# Altium PCB HAWACO_DATALOGER_DT-G2_V1.0.PcbDoc (part 1 of 3) (continued)
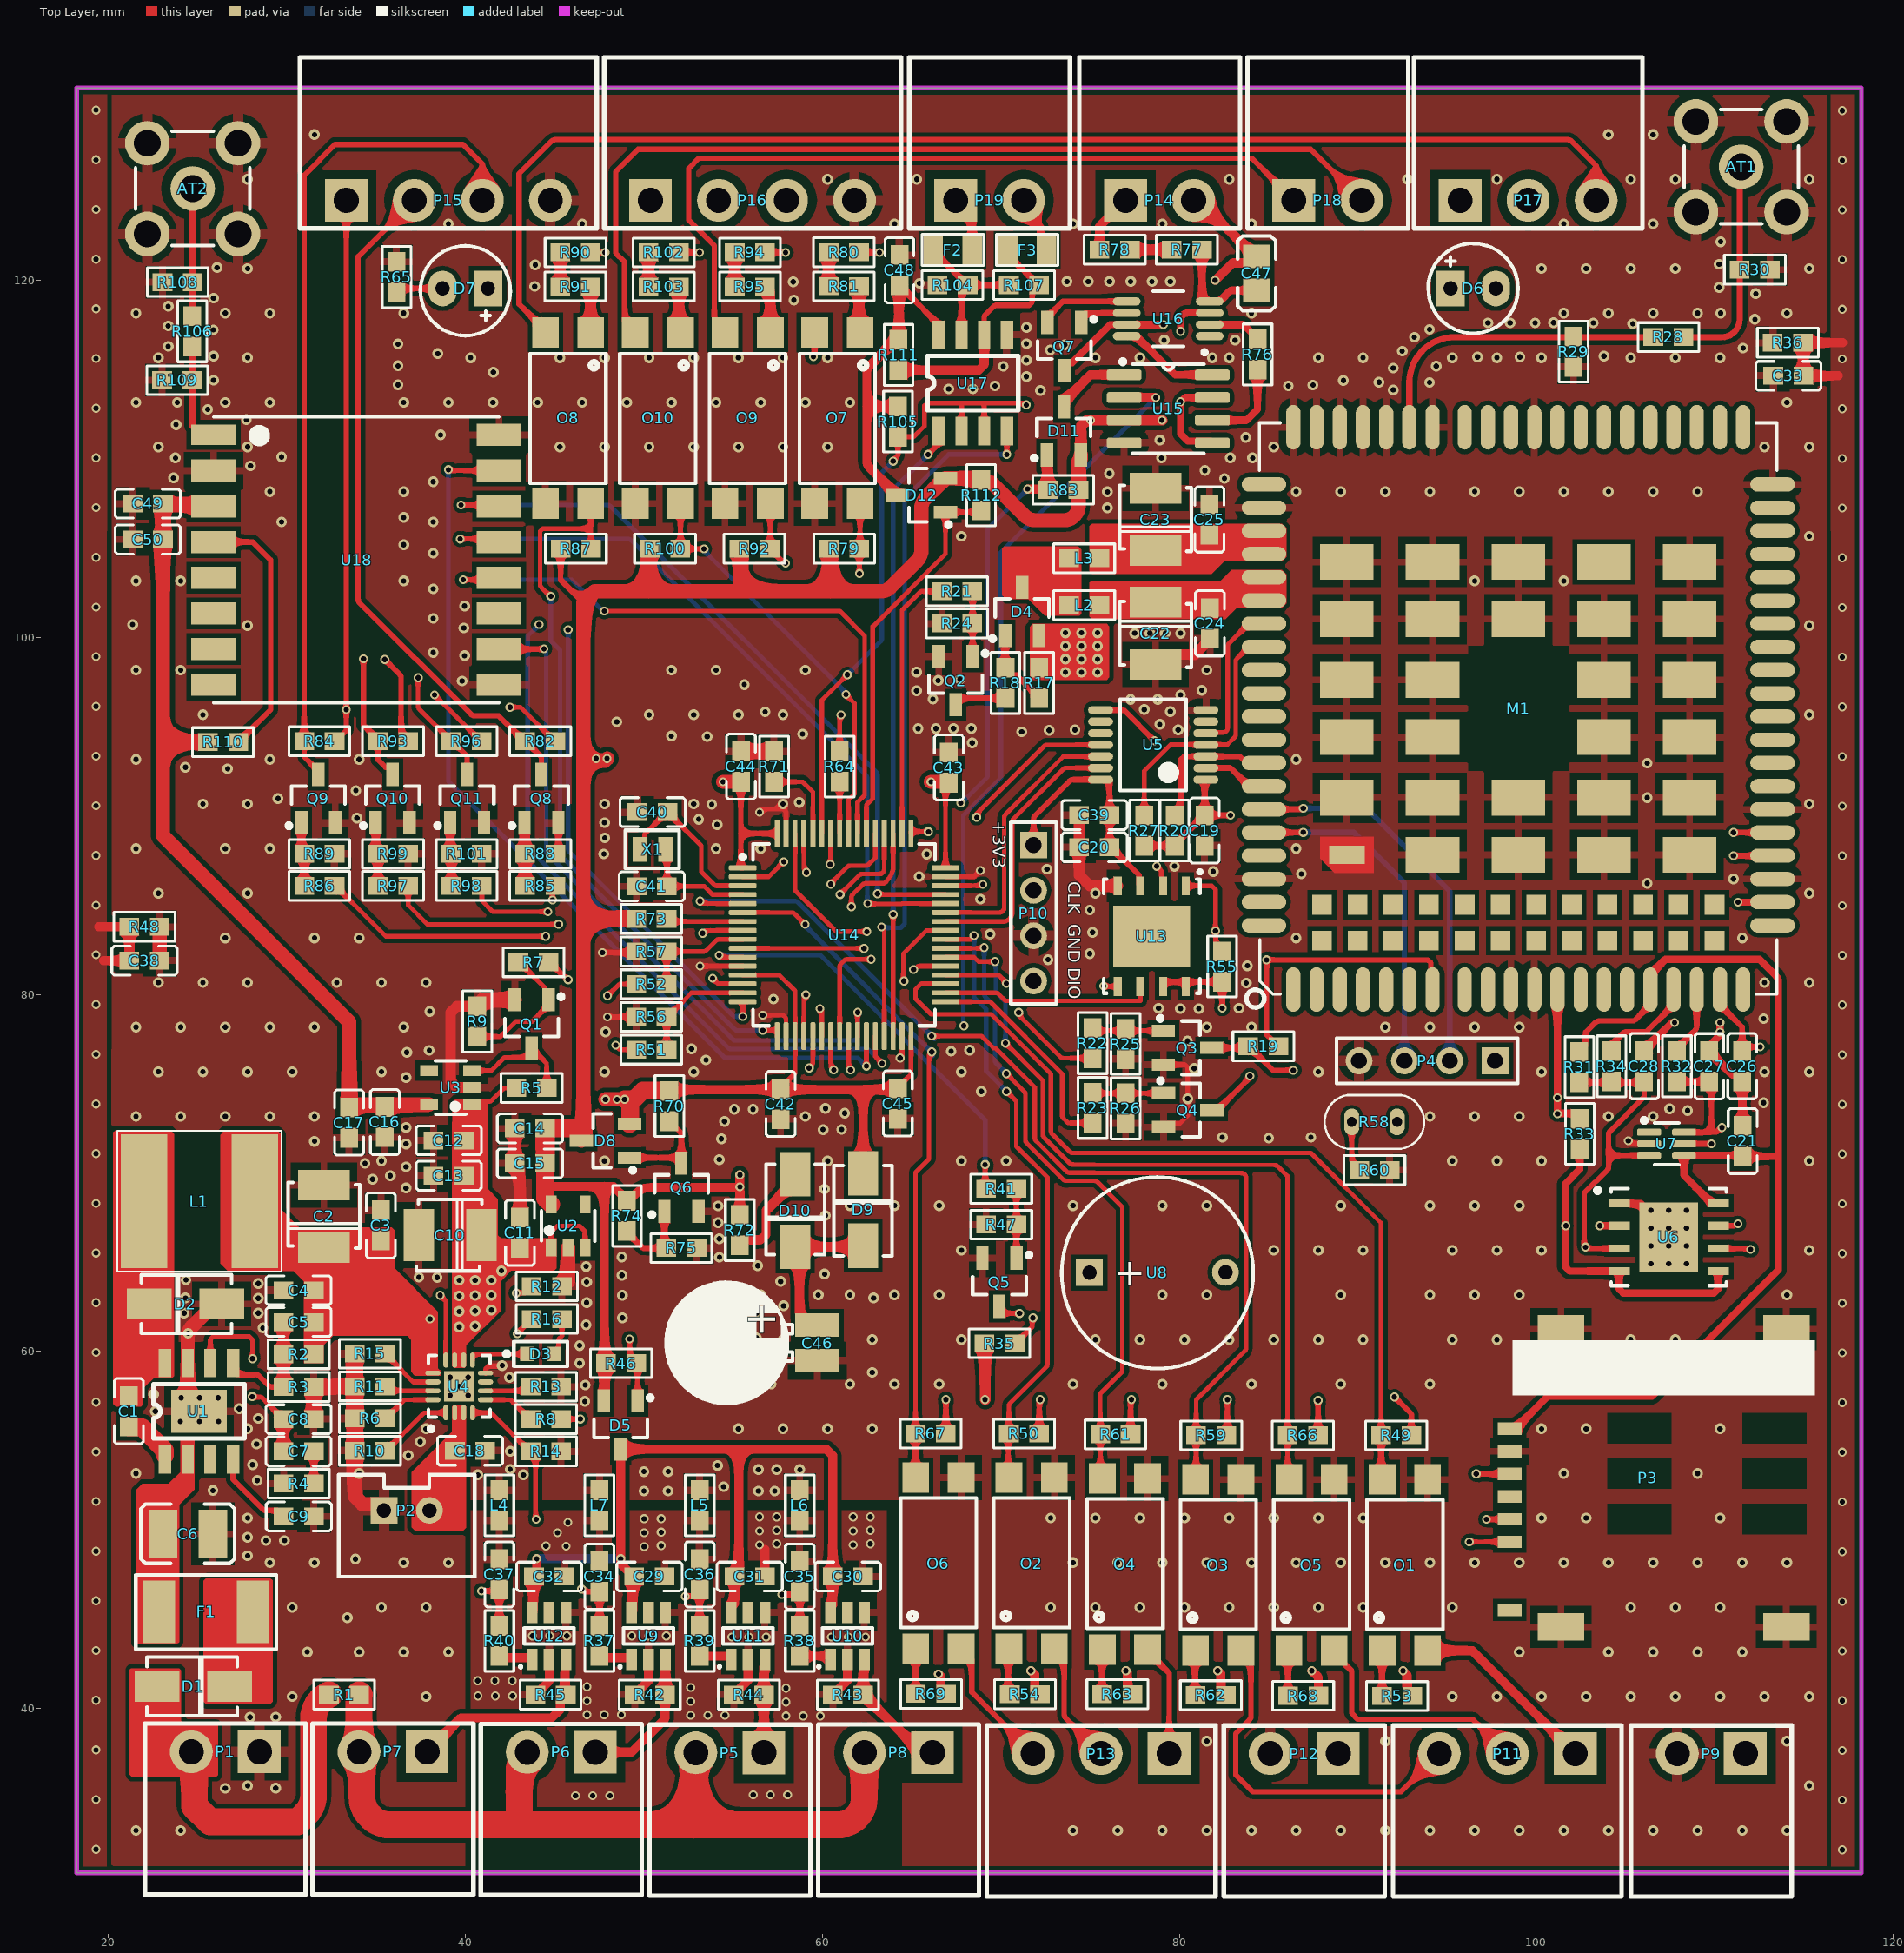
[diagram p0: Top Layer view]
## Components (designator, comment, footprint, x,y, rotation, side; value= is the part's Value field where it differs from the comment) (continued)
R78 "100R" "RESC-0603 (1608)" 76.378,121.717 r180 top
R79 "10K" "RESC-0603 (1608)" 61.219,104.966 r180 top
R80 "5K1" "RESC-0603 (1608)" 61.199,121.571 r180 top
R81 "5K1" "RESC-0603 (1608)" 61.199,119.666 r0 top
R82 "10K" "RESC-0603 (1608)" 44.19,94.179 r0 top
R83 "100K" "RESC-0603 (1608)" 73.496,108.269 r0 top
R84 "10K" "RESC-0603 (1608)" 31.814,94.179 r0 top
R85 "1K" "RESC-0603 (1608)" 44.19,86.079 r180 top
R86 "1K" "RESC-0603 (1608)" 31.814,86.079 r180 top
R87 "10K" "RESC-0603 (1608)" 46.182,104.966 r180 top
R88 "10K" "RESC-0603 (1608)" 44.19,87.871 r180 top
R89 "10K" "RESC-0603 (1608)" 31.814,87.871 r180 top
R90 "5K1" "RESC-0603 (1608)" 46.169,121.564 r180 top
R91 "5K1" "RESC-0603 (1608)" 46.157,119.659 r0 top
R92 "10K" "RESC-0603 (1608)" 56.19,104.966 r180 top
R93 "10K" "RESC-0603 (1608)" 35.939,94.179 r0 top
R94 "5K1" "RESC-0603 (1608)" 55.936,121.564 r180 top
R95 "5K1" "RESC-0603 (1608)" 55.936,119.659 r0 top
R96 "10K" "RESC-0603 (1608)" 40.065,94.179 r0 top
R97 "1K" "RESC-0603 (1608)" 35.939,86.079 r180 top
R98 "1K" "RESC-0603 (1608)" 40.065,86.079 r180 top
R99 "10K" "RESC-0603 (1608)" 35.939,87.871 r180 top
R100 "10K" "RESC-0603 (1608)" 51.186,104.966 r180 top
R101 "10K" "RESC-0603 (1608)" 40.065,87.871 r180 top
R102 "5K1" "RESC-0603 (1608)" 51.11,121.564 r180 top
R103 "5K1" "RESC-0603 (1608)" 51.11,119.659 r0 top
R104 "560R" "RESC-0603 (1608)" 67.285,119.736 r180 top
R105 "10K" "RESC-0603 (1608)" 64.237,112.09 r90 top
R106 "0R" "RESC-0603 (1608)" 24.689,117.151 r90 top
R107 "120R" "RESC-0603 (1608)" 71.298,119.736 r180 top
R108 "NF" "RESC-0603 (1608)" 23.875,119.905 r0 top value=0R
R109 "NF" "RESC-0603 (1608)" 23.851,114.408 r0 top value=0R
R110 "NF" "RESC-0603 (1608)" 26.416,94.132 r180 top value=10K
R111 "560R" "RESC-0603 (1608)" 64.262,115.824 r270 top
R112 "100K" "RESC-0603 (1608)" 68.893,107.966 r90 top
U1 "TPS54231DR" "SOIC8 - TP" 25.07,56.648 r0 top
U2 "TPS7A0233PDBVR" SOT23-5 45.745,67.031 r0 top
U3 "NF" SOT23-5 39.167,74.778 r90 top value=TPS7A0233PDBVR
U4 "BQ24073RGTT" RGT16-1700X1700TP 39.648,58.041 r90 top
U5 "TXS0104EPWR" TSOP65P640X120-14N 78.537,93.98 r180 top
U6 "E-SIM" "MFF2 ESIM" 107.419,66.404 r0 top
U7 "SMF05CT1G" SOT363 107.3,71.631 r270 top
U8 "NF" BUZZER_through_hole 74.955,64.414 r0 top value=BUZZ
U9 "LMP8640" SOT23-6 50.26,44.061 r0 top
U10 "LMP8640" SOT23-6 61.399,44.061 r0 top
U11 "LMP8640" SOT23-6 55.829,44.061 r0 top
U12 "LMP8640" SOT23-6 44.69,44.061 r0 top
U13 "W25Q80DLZPIG TR" "WSON-8 6X5MM" 78.451,83.264 r270 top
U14 "STM32L083RZT6TR" LQFP-64 61.214,83.337 r0 top
U15 "ISO7310" SOIC-8 79.375,112.801 r270 top
U16 "XTR117" 8VSSOP 79.375,117.849 r180 top
U17 "RS485" SOIC8 68.428,114.249 r0 top
U18 "NF" "Lora1276 V1.2" 33.884,104.343 r0 top value=RA-01S
X1 "32.768KHz" "CRYSTAL_ABS06 2X1.2MM" 50.48,88.128 r0 top

## Footprints (in the part's own frame and the unit in brackets; to place one, negate y for a bottom-side part, rotate by r counter-clockwise, add the part's x,y. Pads: shape width x height; smd on the part's side, far side on the other; paste and mask are expansions set on the pad)
8VSSOP [mm]
  oval 1.55x0.45 smd paste+0 mask+0.051: 1(-2.325,0.975) 2(-2.325,0.325) 3(-2.325,-0.325) 4(-2.325,-0.975) 5(2.325,-0.975) 6(2.325,-0.325) 7(2.325,0.325) 8(2.325,0.975)
  silkscreen extent -2.14,-1.55 0.85,1.98, body extent -2.39,-1.5 2.52,1.5, height 1.1
BUZZER_through_hole [mm]
  rect 1.5x1.5 hole 0.8: 1(0,0)
  round 1.5 hole 0.8: 2(7.62,0.013)
  silkscreen extent -1.55,-5.38 9.18,5.36, body extent -2.22,-6 9.78,6, height 4.5
CAP-SUPER-0.22F [mm] "cap super"
  rect 1.3x2.5 smd: 1(1,0) 2(-1,0)
  silkscreen extent -3.4,1.4 3.4,8.5
CAP_TANTAL_1210(3528) [mm] "Capacitor, Chip; 3.50 mm L X 2.80 mm W X 1.40 mm H body"
  rect 1.71x2.91 smd: 1(-1.75,0) 2(1.75,0)
  silkscreen extent -1.78,-2.01 1.91,2.01, body extent -1.87,-1.42 1.82,1.4, height 2.09
"CAPC-0603 (1608)" [mm] "Resistor, Chip; 1.60 mm L X 0.80 mm W X 0.50 mm H body"
  rect 1.1x1 smd mask+0.1: 1(-0.85,0) 2(0.85,0)
  silkscreen extent -1.83,-0.81 1.83,0.81, body extent -0.8,-0.4 0.8,0.4, height 0.6
"CAPC-0805 (2012)" [mm] "Resistor, Chip; 2.00 mm L X 1.25 mm W X 0.70 mm H body"
  rect 1.3x1.5 smd: 1(-0.95,0) 2(0.95,0)
  silkscreen extent -2.1,-1.06 2.1,1.06, body extent -1,-0.62 1,0.63, height 0.7
"CAPC-1210 (3225)" [mm] "Resistor, Chip; 3.10 mm L X 2.60 mm W X 0.90 mm H body"
  rect 1.6x2.7 smd: 1(-1.4,0) 2(1.4,0)
  silkscreen extent -2.61,-1.66 2.64,1.66, body extent -1.59,-1.26 1.61,1.24, height 1.3
"CRYSTAL_ABS06 2X1.2MM" [mm] "Crystal 2x1.2mm"
  rect 0.8x1.4 smd: 1(-0.725,0) 2(0.725,0)
  silkscreen extent -1.52,-1.07 1.5,1.07, body extent -1,-0.61 1,0.61, height 0.6
DIODE_DO214AC_SMA [mm] "Diode 2214AC- SMA type"
  rect 2.5x1.7 smd: 1(-2.032,0) 2(2.032,0)
  silkscreen extent -2.59,-1.63 2.46,1.7, body extent -2.53,-1.35 2.47,1.35, height 2.25
EC21 [mm]
  oval 2.5x0.8 smd: 1(-15.75,12.6) 2(-15.75,11.3) 3(-15.75,10) 4(-15.75,8.7) 5(-15.75,7.4) 6(-15.75,6.1) 7(-15.75,4.8) 8(-15.75,0.4) 9(-15.75,-0.9) 10(-15.75,-2.2) 11(-15.75,-3.5) 12(-15.75,-4.8) 13(-15.75,-6.1) 14(-15.75,-7.4) 15(-15.75,-8.7) 16(-15.75,-10) 17(-15.75,-11.3) 18(-15.75,-12.6) 37(15.75,-12.6) 38(15.75,-11.3) 39(15.75,-10) 40(15.75,-8.7) 41(15.75,-7.4) 42(15.75,-6.1) 43(15.75,-4.8) 44(15.75,-3.5) 45(15.75,-2.2) 46(15.75,-0.9) 47(15.75,0.4) 48(15.75,4.8) 49(15.75,6.1) 50(15.75,7.4) 51(15.75,8.7) 52(15.75,10) 53(15.75,11.3) 54(15.75,12.6) 141(-15.75,3) 142(-15.75,1.7) 143(15.75,1.7) 144(15.75,3)
  oval 0.8x2.5 smd: 19(-9.55,-14.25) 20(-8.25,-14.25) 21(-6.95,-14.25) 22(-5.65,-14.25) 23(-4.35,-14.25) 24(-3.05,-14.25) 25(-1.75,-14.25) 26(-0.45,-14.25) 27(0.85,-14.25) 28(2.15,-14.25) 29(3.45,-14.25) 30(4.75,-14.25) 31(6.05,-14.25) 32(7.35,-14.25) 33(8.65,-14.25) 34(9.95,-14.25) 35(11.25,-14.25) 36(12.55,-14.25) 55(12.55,14.25) 56(11.25,14.25) 57(9.95,14.25) 58(8.65,14.25) 59(7.35,14.25) 60(6.05,14.25) 61(4.75,14.25) 62(3.45,14.25) 63(2.15,14.25) 64(0.85,14.25) 65(-0.45,14.25) 66(-1.75,14.25) 67(-3.05,14.25) 68(-4.35,14.25) 69(-5.65,14.25) 70(-6.95,14.25) 71(-8.25,14.25) 72(-9.55,14.25) 113(-10.85,14.25) 114(-12.15,14.25) 115(-10.85,-14.25) 116(-12.15,-14.25)
  rect 2x3 smd: 85(8.2,9.6) 86(8.2,4.8) 87(8.2,0) 88(8.2,-4.8) 89(8.2,-9.6) 90(5,9.6) 91(5,4.8) 92(5,0) 93(5,-4.8) 94(5,-9.6) 95(1.6,9.6) 96(1.6,4.8) 97(1.6,-4.8) 98(1.6,-9.6) 99(-1.6,9.6) 100(-1.6,4.8) 101(-1.6,-4.8) 102(-1.6,-9.6) 103(-5,9.6) 104(-5,4.8) 105(-5,0) 106(-5,-4.8) 107(-5,-9.6) 109(-8.2,4.8) 110(-8.2,0) 111(-8.2,-4.8) 112(-8.2,-9.6)
  rect 1x2 smd: 108(-8.2,9.6)
  rect 1.1x1.1 smd: 117(-11,11) 118(-11,9) 119(-11,7) 120(-11,5) 121(-11,3) 122(-11,1) 123(-11,-1) 124(-11,-3) 125(-11,-5) 126(-11,-7) 127(-11,-9) 128(-11,-11) 129(-13,11) 130(-13,9) 131(-13,7) 132(-13,5) 133(-13,3) 134(-13,1) 135(-13,-1) 136(-13,-3) 137(-13,-5) 138(-13,-7) 139(-13,-9) 140(-13,-11)
  Top Layer region: -9.2,10.3 -8.4,11.1 -7.2,11.1 -7.2,8.1 -9.2,8.1 -9.2,10.3
  Top Layer pour cut-out: 3.5,2.8 -3.5,2.8 -3.5,-2.8 3.5,-2.8 3.5,2.8
  silkscreen extent -16.76,-14.5 16,15.23, body extent -16.01,-14.57 16.02,14.49, height 2.54
"FUSE 0ZCK_BEL" [mm]
  rect 1.1x1.6 smd paste+0 mask+0: 1(-1.092,0) 2(1.092,0)
  silkscreen extent -1.73,-0.88 1.73,0.88, body extent -1.16,-0.75 1.16,0.75, height 1.81
FUSE_1812(4532) [mm]
  rect 1.78x3.5 smd: 1(-2.615,0) 2(2.615,0)
  silkscreen extent -3.94,-2.06 3.94,2.11, body extent -2.43,-1.61 2.39,1.61, height 1.32
HDR1X4 [mm] "Connector; Header; 4 Position"
  rect 1.5x1.5 hole 0.9: 1(0,0)
  round 1.5 hole 0.9: 2(2.54,0) 3(5.08,0) 4(7.62,0)
  silkscreen extent -1.27,-1.27 8.89,1.27
HDR_3.81MM_RA_2x1 [mm] "Header 2, pitch 3.81mm, right angle"
  rect 2.4x2.4 hole 1.4: 1(0,0)
  round 2.4 hole 1.4: 2(3.81,0)
  silkscreen extent -2.6,-1.57 6.41,8, body extent -2.6,-1.2 6.41,8, height 7.2
HDR_3.81MM_RA_3x1 [mm] "Header 3, pitch 3.81mm, right angle"
  rect 2.4x2.4 hole 1.4: 1(0,0)
  round 2.4 hole 1.4: 2(3.81,0) 3(7.62,0)
  silkscreen extent -2.6,-1.57 10.22,8, body extent -2.6,-1.2 10.22,8, height 7.2
HDR_3.81MM_RA_4X1 [mm] "Header 3, pitch 3.81mm, right angle"
  rect 2.4x2.4 hole 1.4: 1(0,0)
  round 2.4 hole 1.4: 2(3.81,0) 3(7.62,0) 4(11.43,0)
  silkscreen extent -2.6,-1.57 14.03,8, body extent -2.36,-1.17 13.67,8.03, height 7.3
"IND-0603 (1608)" [mm] "Resistor, Chip; 1.60 mm L X 0.80 mm W X 0.50 mm H body"
  rect 1.1x1 smd mask+0.1: 1(-0.85,0) 2(0.85,0)
  silkscreen extent -1.71,-0.81 1.71,0.81, body extent -0.8,-0.4 0.8,0.4, height 1.4
IND-74404084150 [mm] "Shielded Inductor 8x8mm"
  rect 2.6x7.5 smd: 1(-3.1,0) 2(3.1,0)
  silkscreen extent -4.6,-3.94 4.6,3.94, body extent -4,-4 4,4, height 4.2
"LED 0603" [mm]
  rect 0.8x0.8 smd: 1(-0.75,0) 2(0.75,0)
  silkscreen extent -1.5,-0.7 2.04,0.7, body extent -0.8,-0.4 0.8,0.4, height 0.75
LED_3MM-GREEN [mm] "LED GREEN 3MM T/H"
  rect 1.6x2 hole 0.8: 1(0,0)
  oval 1.6x2 hole 0.8: 2(2.54,0)
  silkscreen extent -1.25,-2.51 3.78,2.52, body extent -0.48,-1.93 3.02,2.07, height 6.2
LED_3MM-RED [mm] "LED RED 3MM T/H"
  rect 1.6x2 hole 0.8: 1(0,0)
  oval 1.6x2 hole 0.8: 2(2.54,0)
  silkscreen extent -1.25,-2.39 3.78,2.65, body extent -0.72,-1.5 3.26,1.99, height 20.38
"Lora1276 V1.2" [mm]
  rect 2.5x1.143 smd: 1(-8,7)
  rect 2.5x1.25 smd: 2(-8,5) 3(-8,3) 4(-8,1) 5(-8,-1) 6(-8,-3) 7(-8,-5) 8(-8,-7) 9(8,-7) 10(8,-5) 11(8,-3) 12(8,-1) 13(8,1) 14(8,3) 15(8,5) 16(8,7)
  silkscreen extent -8,-8 8,8, body extent -8,-8.5 8,8.5, height 3.2
LQFP-64 [mm] "Low Profile Quad Flat Pack (LQFP), 0.50 mm pitch; square, 16 pin X 16 pin, 10.00 mm L X 10.00 mm W X 1.60 mm H body"
  rrect50% 1.56x0.28 smd: 1(-5.68,3.75) 2(-5.68,3.25) 3(-5.68,2.75) 4(-5.68,2.25) 5(-5.68,1.75) 6(-5.68,1.25) 7(-5.68,0.75) 8(-5.68,0.25) 9(-5.68,-0.25) 10(-5.68,-0.75) 11(-5.68,-1.25) 12(-5.68,-1.75) 13(-5.68,-2.25) 14(-5.68,-2.75) 15(-5.68,-3.25) 16(-5.68,-3.75) 33(5.68,-3.75) 34(5.68,-3.25) 35(5.68,-2.75) 36(5.68,-2.25) 37(5.68,-1.75) 38(5.68,-1.25) 39(5.68,-0.75) 40(5.68,-0.25) 41(5.68,0.25) 42(5.68,0.75) 43(5.68,1.25) 44(5.68,1.75) 45(5.68,2.25) 46(5.68,2.75) 47(5.68,3.25) 48(5.68,3.75)
  rrect50% 0.28x1.56 smd: 17(-3.75,-5.68) 18(-3.25,-5.68) 19(-2.75,-5.68) 20(-2.25,-5.68) 21(-1.75,-5.68) 22(-1.25,-5.68) 23(-0.75,-5.68) 24(-0.25,-5.68) 25(0.25,-5.68) 26(0.75,-5.68) 27(1.25,-5.68) 28(1.75,-5.68) 29(2.25,-5.68) 30(2.75,-5.68) 31(3.25,-5.68) 32(3.75,-5.68) 49(3.75,5.68) 50(3.25,5.68) 51(2.75,5.68) 52(2.25,5.68) 53(1.75,5.68) 54(1.25,5.68) 55(0.75,5.68) 56(0.25,5.68) 57(-0.25,5.68) 58(-0.75,5.68) 59(-1.25,5.68) 60(-1.75,5.68) 61(-2.25,5.68) 62(-2.75,5.68) 63(-3.25,5.68) 64(-3.75,5.68)
  silkscreen extent -5.8,-5.1 5.1,5.1, body extent -6,-6 6,6, height 1.49
"MFF2 ESIM" [mm] "SON, 8-Leads, Body 5.00x6.00mm, Pitch 1.27mm, Thermal Pad 3.90x3.30mm, IPC Medium Density"
  rect 1.2x0.45 smd: 1(-2.77,1.905) 2(-2.77,0.635) 3(-2.77,-0.635) 4(-2.77,-1.905) 5(2.77,-1.905) 6(2.77,-0.635) 7(2.77,0.635) 8(2.77,1.905)
  rect 3.3x3.9 smd paste-1.65: 9(0,0)
  silkscreen extent -4.12,-2.73 3.22,2.75, body extent -3.13,-2.58 3.13,2.58, height 0.5
MUP-C792 [mm] "MicroSIM Card PUSH - PUSH HOLDER"
  rect 0.7x1.35 smd: 1(0,0) 2(-2.54,0) 3(-5.08,0) 5(-1.27,0) 6(-3.81,0) 7(-6.35,0) CD(-10.16,0)
  rect 1.55x2.6 smd: 8(-11.105,-2.875) 8(5.575,-2.875) 9(-11.105,-15.505) 9(5.575,-15.505)
  Top Layer pour cut-out: -5.91,-13.045 -4.21,-13.045 -4.21,-16.625 -5.91,-16.625
  Top Layer pour cut-out: -3.37,-13.045 -1.67,-13.045 -1.67,-16.625 -3.37,-16.625
  Top Layer pour cut-out: -0.83,-13.045 0.87,-13.045 0.87,-16.625 -0.83,-16.625
  Top Layer pour cut-out: -0.83,-5.485 0.87,-5.485 0.87,-9.065 -0.83,-9.065
  Top Layer pour cut-out: -3.37,-5.485 -1.67,-5.485 -1.67,-9.065 -3.37,-9.065
  Top Layer pour cut-out: -5.91,-5.485 -4.21,-5.485 -4.21,-9.065 -5.91,-9.065
  silkscreen extent 1.86,-17.1 4.95,-0.15, body extent -10.67,-17.11 5.14,0, height 1.5
"OPTO 1" [mm]
  rect 1.7x1.5 smd: 1(-4.795,1.27) 2(-4.795,-1.27) 3(4.795,-1.27) 4(4.795,1.27)
  silkscreen extent -3.6,-2.13 3.65,2.12, body extent -5.09,-2.42 4.94,2.42, height 3.82
"RES NTC 10K" [mm]
  oval 1.5x0.85 hole 0.55 mask+0.2: 1(0,1.27) 2(0,-1.27)
  silkscreen extent -1.5,-2.78 1.5,2.78, body extent -1.25,-1.47 1.25,1.47, height 39.3
"RESC-0603 (1608)" [mm] "Resistor, Chip; 1.60 mm L X 0.80 mm W X 0.50 mm H body"
  rect 1.1x1 smd mask+0.1: 1(-0.85,0) 2(0.85,0)
  silkscreen extent -1.71,-0.81 1.71,0.81, body extent -0.8,-0.4 0.8,0.4, height 0.5
RGT16-1700X1700TP [mm] "QFN, 16-Leads, Body 3x3mm, Pitch 0.5mm, Thermal Pad 1.7x1.7mm, TI Recommended"
  oval 0.85x0.28 smd paste-0.025 mask+0.07: 1(-1.475,0.75) 2(-1.475,0.25) 3(-1.475,-0.25) 4(-1.475,-0.75) 9(1.475,-0.75) 10(1.475,-0.25) 11(1.475,0.25) 12(1.475,0.75)
  oval 0.28x0.85 smd paste-0.025 mask+0.07: 5(-0.75,-1.475) 6(-0.25,-1.475) 7(0.25,-1.475) 8(0.75,-1.475) 13(0.75,1.475) 14(0.25,1.475) 15(-0.25,1.475) 16(-0.75,1.475)
  rect 1.7x1.7 smd paste-0.85 mask+0.07: 17(0,0)
  silkscreen extent -2.5,-1.73 1.73,1.73, body extent -1.57,-1.57 1.58,1.58, height 1
SMA-KWE-17-V1 [mm]
  round 2.5 hole 1.5: 1(0,0) 2(-2.54,-2.54) 2(-2.54,2.54) 2(2.54,-2.54) 2(2.54,2.54)
  silkscreen extent -3.2,-3.2 3.2,3.2, body extent -3.2,-3.2 15.8,3.2, height 9.6
SOIC8 [mm] "OPA2333"
  round 0.8 on Top Overlay: 0(-1.905,-0.9)
  rect 0.7x1.6 smd: 1(-1.905,-2.7) 2(-0.635,-2.7) 3(0.635,-2.7) 4(1.905,-2.7) 5(1.905,2.7) 6(0.635,2.7) 7(-0.635,2.7) 8(-1.905,2.7)
  silkscreen extent -2.54,-1.52 2.54,1.52, body extent -2.45,-3 2.45,3, height 1.63
"SOIC8 - TP" [mm] "SOIC 8 pin with Thermal Pad"
  round 0.8 on Top Overlay: 0(-1.975,-0.975)
  rect 0.7x1.6 smd: 1(-1.905,-2.7) 2(-0.635,-2.7) 3(0.635,-2.7) 4(1.905,-2.7) 5(1.905,2.7) 6(0.635,2.7) 7(-0.635,2.7) 8(-1.905,2.7)
  rect 3.1x2.4 smd: 9(0,0)
  silkscreen extent -2.54,-1.52 2.54,1.52, body extent -2.45,-3 2.45,3, height 1.63
SOIC-8 [mm] "SOIC-8"
  rrect49% 0.61x1.96 smd: 1(-1.905,-2.47) 2(-0.635,-2.47) 3(0.635,-2.47) 4(1.905,-2.47) 5(1.905,2.47) 6(0.635,2.47) 7(-0.635,2.47) 8(-1.905,2.47)
  silkscreen extent -2.77,-2.67 2.5,2, body extent -2.45,-3.08 2.45,2.92, height 1.63
SOT23-5 [mm]
  rect 0.6x1 smd: 1(-0.95,-1.2) 2(0,-1.2) 3(0.95,-1.2) 4(0.95,1.2) 5(-0.95,1.2)
  silkscreen extent -1.5,-0.85 1.5,0.85, body extent -1.46,-1.17 1.46,1.17, height 1
SOT23-6 [mm] "Small Outline Transistor (SOT23), 0.95 mm pitch; 6 pin, 2.90 mm L X 1.60 mm W X 1.10 mm H body"
  rect 0.61x1.2 smd: 1(-0.95,-1.315) 2(0,-1.315) 3(0.95,-1.315) 4(0.95,1.315) 5(0,1.315) 6(-0.95,1.315)
  silkscreen extent -1.63,-1.75 1.4,0.46, body extent -1.45,-1.4 1.45,1.4, height 1.1
SOT23_3 [mm] "SOT23, 3-Leads, Body 2,90x2,30mm, Pitch 0,95mm, IPC Medium Density"
  rect 1.3x0.7 smd: 1(-1.35,0.95) 2(-1.35,-0.95) 3(1.35,0)
  silkscreen extent -1.65,-1.5 0.7,1.78, body extent -1.3,-1.5 1.3,1.5, height 1.1
SOT363 [mm] "Small Outline Transistor (SOT23), 0.65 mm pitch; 6 pin, 2.00 mm L X 1.25 mm W X 1.10 mm H body"
  rrect50% 0.4x1.34 smd: 1(-0.65,-0.98) 2(0,-0.98) 3(0.65,-0.98) 4(0.65,0.98) 5(0,0.98) 6(-0.65,0.98)
  silkscreen extent -1.44,-1.38 1.18,0.68, body extent -1.1,-1.2 1.1,1.2, height 1.1
TSOP65P640X120-14N [mm] "TSOP, 14-Leads, Body 5.00x4.40mm, Pitch 0.65mm, IPC Medium Density"
  oval 1.4x0.45 smd: 1(-2.95,1.95) 2(-2.95,1.3) 3(-2.95,0.65) 4(-2.95,0) 5(-2.95,-0.65) 6(-2.95,-1.3) 7(-2.95,-1.95) 8(2.95,-1.95) 9(2.95,-1.3) 10(2.95,-0.65) 11(2.95,0) 12(2.95,0.65) 13(2.95,1.3) 14(2.95,1.95)
  silkscreen extent -1.85,-2.55 1.85,2.55, body extent -3.2,-2.55 3.2,2.55, height 1.2
"WSON-8 6X5MM" [mm] "6X5MM"
  rect 1.05x0.45 smd: 1(-2.82,1.905) 2(-2.82,0.635) 3(-2.82,-0.635) 4(-2.82,-1.905) 5(2.82,-1.905) 6(2.82,-0.635) 7(2.82,0.635) 8(2.82,1.905)
  rect 3.4x4.3 smd paste-1.5: 9(0,0)
  silkscreen extent -3.65,-2.7 3.2,2.75, body extent -3.07,-2.55 3.07,2.55, height 0.8
XH2.54-2P [mm] "PITCH 2.54MM 2P 180 DEGREE"
  rect 1.5x1.5 hole 0.8: 1(-1.905,0)
  round 1.5 hole 0.8: 2(0.635,0)
  silkscreen extent -4.44,-3.7 3.17,2, body extent -4.33,-3.53 3.06,2.27, height 7

## Part data
AT1 AT2: library part GKZS-SMAJZM-KWE-17.3, MFR=GAOKE, MPN=GKZS-SMAJZM-KWE-17.3, Solder=WAVE
C1 C4 C11 C13 C15 C17 C19 C20 C21 C24 C25 C29 C30 C31 C32 C33 C38 C39 C42 C43 C44 C45 C48 C49: library part C0603C104K5RACTU, "CAP CER 0.1uF 50V 10% X7R 0603", MPN=C0603C104K5RACTU, Solder=SMT
  C1 C4 C11 C13 C15 C17: Category=CAPACITOR, CompanyID=VT-00982
  C19 C20 C21 C24 C25: CompanyID=VT-00982
  C29 C30 C31 C32 C33 C38 C39 C42 C43 C44 C45 C48 C49: Company ID=VT00574
C2 C10 C22 C23: library part T520B227M006ATE035, "CAP TANT POLY 220uF 20% 6.3V 3528 35mOhm ESR", MPN=T520B227M006ATE035, Solder=SMT
  C2 C22 C23: CompanyID=VT-00643
  C10: Company ID=VT00099
C3: library part GRM188R60J476ME15D, "CAP CER 47UF 6.3V X5R 0603", MFR="Murata Electronics", Category=CAPACITOR, MPN=GRM188R60J476ME15D, Solder=CAP-0603
C5 C7 C9 C34 C35 C36 C37: library part CC0603KRX7R7BB103, "CAP CER 10nF 16V 10% X7R 0603", MPN=CC0603KRX7R7BB103, Solder=SMT
  C5: Category=CAPACITOR, CompanyID=VT-00592
  C7 C9 C34 C35 C36 C37: Company ID=VT00031
C6: library part GRM32ER71H106KA12L, "CAP CER 10uF 10% 50V X7R 1210 (3255)", Category=CAPACITOR, CompanyID=VT-01019, MPN=GRM32ER71H106KA12L, Solder=SMT
C8: library part CL10C470JB8NNNC, "CAP CER 47pF 5% 50V C0G/NP0 0603", MPN=CL10C470JB8NNNC, Solder=SMT
C12 C14 C16 C18 C50: library part CL10A106KP8NNNC, "CAP CER 10uF 10% 10V X5R 0603", MPN=CL10A106KP8NNNC, Solder=SMT
  C18: CompanyID=VT-00984
C26: library part CL10B471KB8NNNC, "CAP CER 470pF 10% 50V X7R 0603", Company ID=VT00072, MPN=CL10B471KB8NNNC, Solder=SMT
C27 C28 C40 C41: library part CL10C100JB8NNND, "CAP CER 10pF 5% 50V NP0 0603", Company ID=VT00076, MPN=CL10C100JB8NNND, Solder=SMT
C46: library part DCK-3R3E224U-E, "CAP 220mF SUPER -20% +80% 3.3V SMD", Company ID=VT00087, MPN=DCK-3R3E224U-E, Solder=HAND
C47: library part CL21B103KBANNNC, "CAP CER 10nF 10% 50V X7R 0805", MPN=CL21B103KBANNNC, Solder=SMT
D1 D9 D10: library part SK36A-LTP, "DIODE SCHOTTKY 60V 3A DO214AC", Category=Diode, MPN=SK36A-LTP, Solder=DO214AC
D2: library part SK36A-LTP, "DIODE SCHOTTKY 60V 3A DO214AC", Manufacturer="Micro Commercial Co", Category=Diode, MPN=SK36A-LTP, Solder=DO214AC
D3: library part "LED 0603 RED", "LED 0603 RED", Category="LED Diode", Company ID=VT00361, MPN="LED 0603 RED", Solder=0603
D4 D5 D8 D11 D12: library part AO3415, "MOSFET P-CH 20V 4A SOT23", MFR="Alpha & Omega Semiconductor Inc.", Category=DIODE, MPN=AO3415, Solder=SOT23
  D5 D8 D11 D12: Company ID=VT00490
D6: library part OVLBG4C7, "LED GREEN CLEAR 3MM ROUND T/H", MPN=OVLBG4C7, Solder=WAVE
D7: library part WP710A10SRC/E, "LED RED CLEAR 3MM ROUND T/H", MPN=WP710A10SRC/E, Solder=WAVE
F1: library part 1812L150/24MR, "FUSE PTC RESETTABLE 24V 1.50A 1812L", MPN=1812L150/24MR, Solder=SMT
F2 F3: library part 0ZCK0075FF2E, "PTC RESET FUSE 6V 750MA 0805", Manufacturer="Bel Fuse Inc.", Category=Fuse, MPN=0ZCK0075FF2E, Solder=SMT
L1: library part 74404084150, "FIXED IND 15UH 2.6A 47 MOHM SMD", MFR="Würth Elektronik", Category=INDUCTOR, Company ID=VT00316, MPN=74404084150
L2 L3 L4 L5 L6 L7: library part FBMJ1608HM230NT, "IND-FERRITE BEAD 23 OHM  4A 0603 1LN", Company ID=VT00326, MPN=FBMJ1608HM230NT, Solder=SMT
M1: library part "QUECTEL EC21", "Quectel EC21 is a series of LTE category", MFR=QUECTEL, MPN=EC21-CN, Category=IC, Solder=SMT
O1 O2 O3 O4 O5 O6 O7 O8 O9 O10: "OPTOISOLATR 5KV TRANSISTOR 4-SMD", MFR="Lite-On Inc.", Category=Opto, MPN=LTV-816S-TA1, Solder="SMD 4P"
P1 P5 P6 P7 P8 P9 P12 P14 P18 P19: "Pluggable terminal 15EDG- 2P 3.81MM", MFR=China, MPN2=CLA5048, MPN=15EDG3.81-2P, Solder=Hand
P2: library part XH-2A, "XH2.54mmm - 2P 180 degree", MPN=XH-2A
P3: library part MUP-C792, "MicroSIM Card Push - Push Holder", MFR=MUPCONNECTOR, Company ID=VT00135, MPN=MUP-C792, Solder=SMT
P4 P10: library part "Header 4x1", "Header, 4 Pin Pitch 2.54mm", MPN=S1012EC-40-ND, Company ID=VT-00125, Solder=WAVE
P11 P13 P17: "Pluggable terminal 15EDG- 3P 3.81MM", MFR=China, MPN2=CLA5050, MPN=15EDG3.81-3P, Solder=Hand
P15 P16: "Pluggable terminal 15EDG- 4P 3.81MM", MFR=China, MPN2=CLA5052, MPN=15EDG3.81-4P, Solder=Hand
Q1 Q5: library part 2SC1815, "TRANS NPN 50V 0.15A SOT23-3", Category=Transistor, Company ID=VT00492, MPN=2SC1815, Solder=SMT
Q2 Q3 Q4 Q6 Q7 Q8 Q9 Q10 Q11: "TRANS NPN 50V 0.15A SOT23-3", MPN=2SC1815, Solder=SMT
  Q6 Q7 Q8 Q9 Q10 Q11: Category=Transistor, Company ID=VT00492
R1 R28 R29 R30 R33: library part RC0603FR-070R, "RES SMD 0 OHM 1% 1/10W 0603", Company ID=VT00423, MPN=RC0603FR-070R, Solder=SMT
R2: library part RT0603BRD07270KL, "RES SMD 270K OHM 0.1% 1/10W 0603", Company ID=VT00474, MPN=RT0603BRD07270KL
R3 R4: library part RC0603FR-0751KL, "RES SMD 51K OHM 1% 1/10W 0603", MFR=Yageo, Category=Resistor, Company ID=VT00453, MPN=RC0603FR-0751KL, Solder=RES-0603
R5 R8 R9 R10 R11 R14 R24 R25 R26 R31 R37 R38 R39 R40 R47 R49 R50 R55 R59 R61 R66 R67 R71 R75 R79 R82 R84 R87 R88 R89 R92 R93 R96 R99 R100 R101 R105 R110: library part RC0603FR-0710KL, "RES SMD 10K OHM 1% 1/10W 0603", MPN=RC0603FR-0710KL, Solder=SMT
  R5 R9 R37 R38 R39 R40 R47 R49 R50 R55 R59 R61 R66 R67 R71 R75 R79 R82 R84 R87 R88 R89 R92 R93 R96 R99 R100 R101 R105 R110: Company ID=VT00426
  R8 R10 R11 R14 R24 R25 R26 R31: CompanyID=VT-00328
R6 R16: library part CRCW06032K20FKEA, "RES SMD 2.2K OHM 1% 1/10W 0603", Company ID=VT00406, MPN=CRCW06032K20FKEA, Solder=SMT
R7 R21 R22 R23 R41 R53 R54 R62 R63 R68 R69 R72 R74 R85 R86 R97 R98: library part RC0603FR-071KL, "RES SMD 1 KOHM 1% 1/10W 0603", MPN=RC0603FR-071KL, Solder=SMT
  R7 R41 R53 R54 R62 R63 R68 R69 R72 R74 R85 R86 R97 R98: Company ID=VT00433
  R21 R22 R23: CompanyID=VT-00574
R12: library part RC0603FR-071K2L, "RES SMD 1.2K OHM 1% 1/10W 0603", CompanyID=VT-01075, MPN=RC0603FR-071K2L, Solder=SMT
R13 R19 R20 R27 R36 R46 R48 R70 R73 R83 R112: library part RC0603FR-07100KL, "RES SMD 100K OHM 1% 1/10W 0603", MPN=RC0603FR-07100KL, Solder=SMT
  R13 R19 R20 R27: CompanyID=VT-00332
  R36 R46 R48 R70 R73 R83 R112: Company ID=VT00424
R15: library part RC0603FR0747KL, "RES SMD 47K OHM 1% 1/10W 0603", CompanyID=VT-00322, MPN=RC0603FR0747KL, Solder=SMT
R17: library part CRCW06031M00FKEA, "RES SMD 1M OHM 1% 1/10W 0603", CompanyID=VT-00325, MPN=CRCW06031M00FKEA, Solder=SMT
R18 R32 R34: library part RC0603FR-0722RL, "RES SMD 22 OHM 1% 1/10W 0603", CompanyID=VT-00881, MPN=RC0603FR-0722RL, Solder=SMT
R35: library part RC0603FR-0710RL, "RES SMD 10 OHM 1% 1/10W 0603", MPN=RC0603FR-0710RL, Solder=SMT
R42 R43 R44 R45: library part RT0603BRE071R43L, "RES SMD 1.43 OHM 0.1% 1/10W 0603", MFR=YAGEO, Category=RESISTOR, MPN=RT0603BRE071R43L, Solde=RES-0603
R51 R52: library part RC0603FR-07470KL, "RES SMD 470K OHM 1% 1/10W 0603", MPN=RC0603FR-07470K, Company ID=VT00448, Solder=SMT
R56 R57: library part CRCW060368K0FKEA, "RES SMD 68K OHM 1% 1/10W 0603", MPN=CRCW060368K0FKEA, Solder=SMT
R58: library part 01M1002JF, "THERMISTOR NTC 10KOHM 3964K BEAD", MFR=Vishay, Category=RESISTOR, MPN=01M1002JF, Solder=Wave
R60: library part CR0603-FX-2003ELF, "RES SMD 200K OHM 1% 1/10W 0603", Category=Resistor, MPN=CR0603-FX-2003ELF
R64: library part RC0603FR-07330RL, "RES SMD 330 OHM 1% 1/10W 0603", Company ID=VT00443, MPN=RC0603FR-07330RL, Solder=SMT
R65: library part RC0603FR-07180RL, "RES SMD 180 OHM 1% 1/10W 0603", Company ID=VT00430, MPN=RC0603FR-07180RL, Solder=SMT
R76: library part RT0603BRE-0715KL, "RES SMD 15K OHM 0.1% 1/10W 0603", Category=RESISTOR, MPN=RT0603BRE-0715KL, Solder=RES-0603
R77: library part RC0603FR-07150RP, "RES SMD 150 OHM 1% 1/10W 0603", MFR=YAGEO, Category=RESISTOR, MPN=RC0603FR-07150RP, Solder=RES-0603
R78: library part RC0603FR-07100RL, "RES SMD 100 OHM 1% 1/10W 0603", Company ID=VT00425, MPN=RC0603FR-07100RL, Solder=SMT
R80 R81 R90 R91 R94 R95 R102 R103: library part RC0603FR-075K1L, "RES SMD 5.1K OHM 1% 1/10W 0603", MFR=Yageo, Category=RESISTOR, Company ID=VT00457, MPN=RC0603FR-075K1L
R104 R111: library part RC0603FR-07560RL, "RES SMD 560 OHM 1% 1/10W 0603", Company ID=VT00455, MPN=RC0603FR-07560RL, Solder=SMT
R106 R108 R109: library part RC0603FR-070RL, "RES SMD 0.0OHM JUMPER 1/10W 0603", Company ID=VT00423, MPN=RC0603FR-070RL, Solder=SMT
R107: library part RC0603FR-07120RL, "RES SMD 120 OHM 1% 1/10W 0603", Company ID=VT00427, MPN=RC0603FR-07120RL, Solder=SMT
U1: "IC REG BUCK ADJUSTABLE 2A 8SOIC", MFR=TI, Category=IC, MPN=TPS54231DR, Solder=SOIC8
U2: "NANOPOWER LDO", Current - Quiescent=60nA, Category=IC, MPN=TPS7A0233PDBVR, Solder=SOT23-5
U3: library part TPS7A0233PDBVR, "NANOPOWER LDO", Current - Quiescent=60nA, Category=IC, MPN=TPS7A0233PDBVR, Solder=SOT23-5
U4: "IC LI-ION CHARGE/PWR MGMT 16-QFN", MFR="Texas Instruments", Category=IC, Company ID=VT00206, MPN=BQ24073RGTT, Solder="16-QFN (3x3)"
U5: "IC 4BIT NON-INV TRANSLTR 14TSSOP", Category=IC, MPN=TXS0104EPWR, Solder=SMT
U6: library part SCM512, "M2M communication module e-sim", MFR=ATC, Category=IC, MPN=SCM512, Solder=WSON-8
U7: "TVS DIODE 5VWM 12.5VC SC88", CompanyID=VT-00105, MPN=SMF05CT1G, Solder=SMT
U8: library part Speaker, "Loudspeaker", BAPartNumber=VT-0, MPN=CLA2021, LatestRevisionDate=17-Jul-2002, LatestRevisionNote="Re-released for DXP Platform.", PackageReference=PIN2, Published=24-Mar-1999, Publisher="Altium Limited", Solder=WAVE
U9 U10 U11 U12: library part LMP8640MK-H/NOPB, "IC CURR SENSE 1 CIRCUIT TSOT23-6", MFR=TI, Category=IC, MPN=LMP8640MK-H/NOPB, Solder=SOT23-6
U13: "IC FLSH 8MBIT SPI/QUAD I/O 8WSON", MFR="Winbond Electronics", Category=IC, MPN="W25Q80DLZPIG TR", Solder=SMT
U14: "IC MCU 32BIT 192KB FLASH 64LQFP", MFR=ST, Category=IC, MPN=STM32L083RZT6TR, Solder="64 LQFP"
U15: library part ISO7310CQDRQ1, "DGTL ISO 3000VRMS 1CH 8SOIC", MFR=TI, Category=IC, MPN=ISO7310CQDRQ1, Solder=SOIC-8
U16: library part XTR117AIDGKR, "IC CURRENT TRANSMITTER 8VSSOP", MFR="Texas Instruments", Category=IC, MPN=XTR117AIDGKR, Solder=8VSSOP
U17: library part SN65HVD72DR, "IC TRANSCEIVER HALF 1/1 8SOIC", MFR=TI, Category=IC, MPN=SN65HVD72DR, Solder=SOIC-8
U18: library part RA-01S, "Module lora RA-01S SX1268", MFR=AI-THINKER, Category=Module, MPN=RA-01S, Solder="SMT 16"
X1: library part ABS06-107-32.768kHz-T, "CRYSTAL 32.7680KHZ 4pF SMD", Company ID=VT00159, MPN=ABS06-107-32.768kHz-T, Solder=SMT

## Via types
v1: diameter 0.6, hole 0.3, Top Layer to Bottom Layer, tented both sides, 674 vias
v2: diameter 0.5, hole 0.3, Top Layer to Bottom Layer, tented both sides, 306 vias

## Nets (pads, with @x,y where several pads share a name; then routed paths per layer and width w, separated by ;. In a path a pad name is that pad's centre, name@x,y a point inside that pad or via, vN(x,y) a via of type N, cw(c..) or ccw(c..) an arc to the next point about the centre after c; other vN are vias at no path point)
"4-20mA IN1": C35.2 R38.1 U14.23 | length 44
  Top Layer w0.254: U14.23@60.464,77.657 60.464,75.93 v2(60.63,75.764)
  Top Layer w0.3: v2(57.732,46.387) 58.582,46.387 C35.2@58.732,46.537 R38.1@58.732,44.631
  Layer 3 w0.254: v2(57.732,46.387) 54.432,46.387 53.348,47.472 cw(c53.527,47.651) 53.273,47.652 53.322,73.082 cw(c53.576,73.081) 53.397,73.261 54.981,74.845 59.897,74.845 ccw(c59.897,75.099) 60.076,74.919 60.555,75.398 ccw(c60.376,75.577) 60.63,75.577 v2(60.63,75.764)
"4-20mA IN2": C36.2 R39.1 U14.22 | length 43.4
  Top Layer w0.254: v2(59.854,79.197) 59.964,79.087 U14.22@59.964,77.657
  Top Layer w0.3: v2(52.31,46.279) 52.77,46.279 53.12,46.629 C36.2@53.12,46.656 R39.1@53.12,44.631
  Layer 3 w0.254: v2(52.31,46.279) 52.688,46.657 ccw(c52.508,46.836) 52.762,46.837 52.816,73.354 cw(c53.07,73.353) 52.89,73.533 54.656,75.299 59.522,75.299 59.854,75.63 v2(59.854,79.197)
"4-20mA IN3": C34.2 R37.1 U14.21 | length 42.1
  Top Layer w0.254: v2(59.258,75.876) 59.258,75.923 59.464,76.128 U14.21@59.464,77.657
  Top Layer w0.3: v2(46.508,46.685) 46.656,46.537 C34.2@47.508,46.537 R37.1@47.508,44.631
  Layer 3 w0.254: v2(46.508,46.685) 46.508,50.969 cw(c46.762,50.969) 46.582,51.149 52.144,56.711 ccw(c51.965,56.891) 52.219,56.892 52.219,58.45 ; 52.219,58.451 52.219,72.886 cw(c53.381,72.886) 52.219,72.887 52.22,73.578 cw(c52.474,73.578) 52.293,73.756 ; 52.294,73.757 54.338,75.801 cw(c54.518,75.622) 54.518,75.876 v2(59.258,75.876)
"4-20mA IN4": C37.2 R40.1 U14.41 | length 58
  Top Layer w0.254: v2(64.566,80.745) 64.527,80.784 64.527,82.279 65.835,83.587 U14.41@66.894,83.587
  Top Layer w0.3: v2(40.896,46.577) 41.817,46.577 C37.2@41.896,46.656 R40.1@41.896,44.631
  Layer 3 w0.254: v2(40.896,46.577) 51.69,57.371 ccw(c51.511,57.551) 51.765,57.551 51.765,79.084 cw(c52.019,79.084) 51.84,79.264 52.093,79.517 54.719,79.517 ccw(c54.719,79.771) 54.899,79.592 55.977,80.67 cw(c56.157,80.491) 56.156,80.745 ; 56.157,80.745 v2(64.566,80.745)
"4-20mA INPUT1": P8.1 R43.2 U10.3 | length 7.2
  Top Layer w0.5: U10.3@62.349,42.746 62.349,42.451 62.284,42.385 R43.2@62.284,40.775 65.391,37.668 ccw(c65.744,38.022) 65.744,37.522 P8.1@66.167,37.522
"4-20mA INPUT2": P5.1 R44.2 U11.3 | length 5.3
  Top Layer w0.5: P5.1@56.718,37.516 56.718,42.389 56.779,42.451 U11.3@56.779,42.746
"4-20mA INPUT3": P6.1 R42.2 U9.3 | length 8
  Top Layer w0.5: P6.1@47.269,37.547 49.308,37.547 51.172,39.412 R42.2@51.172,40.775 51.191,40.794 51.191,42.727 U9.3@51.21,42.746
"4-20mA INPUT4": P7.1 R45.2 U12.3 | length 11.4
  Top Layer w0.5: P7.1@37.846,37.573 39.745,39.472 44.837,39.472 45.316,39.95 45.316,40.525 R45.2@45.566,40.775 ; R45.2@45.616,40.775 R45.2@45.566,40.775 ; U12.3@45.64,42.746 45.585,42.691 45.585,42.044 45.566,42.025 R45.2@45.566,40.775
"4-20mA OUT": U14.20 U15.2 | length 53.4
  Top Layer w0.254: U14.20@58.964,77.657 58.964,79.867 v2(59.074,79.977)
  Top Layer w0.5: U15.2@76.905,113.436 v2(78.673,113.436)
  Layer 3 w0.254: v2(59.074,79.977) 59.138,80.042 66.119,80.042 v2(67.924,78.237)
  Bottom Layer w0.254: v2(67.924,78.237) 67.896,78.266 67.896,90.025 70,92.128 70,104.763 v2(78.673,113.436)